# Altium PCB WX0.006.844PCB-4.1.PcbDoc (part 1 of 2)
Units mil, origin at the board's own origin, x right, y up, seen from the top; angles counter-clockwise.
Board outline 4488.2 x 1889.78 mil, 2 copper layers (Top Layer, Bottom Layer), stack 12.8 mil thick; 178 components, 132 nets, 589 pads, 387 vias.
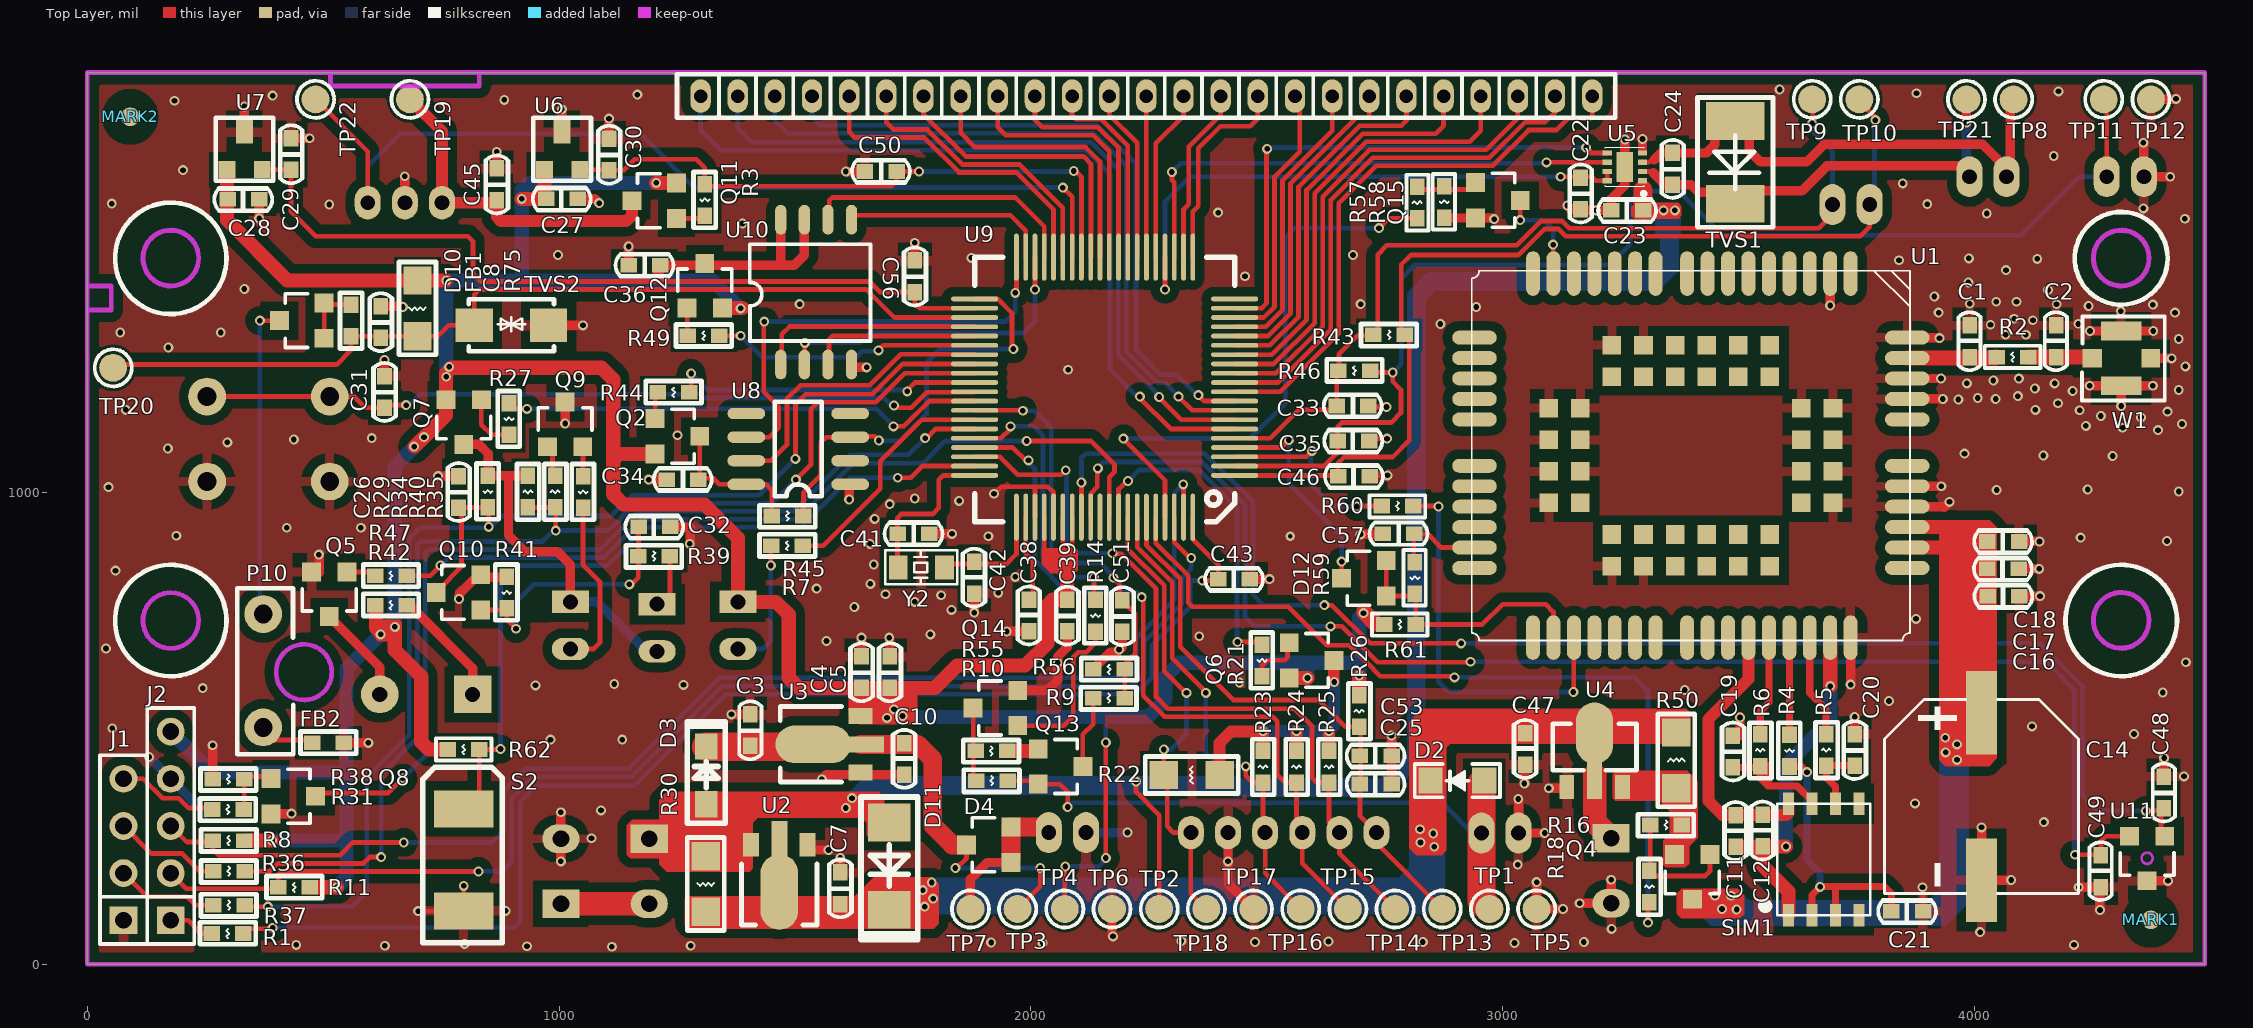
[diagram p0: Top Layer view]
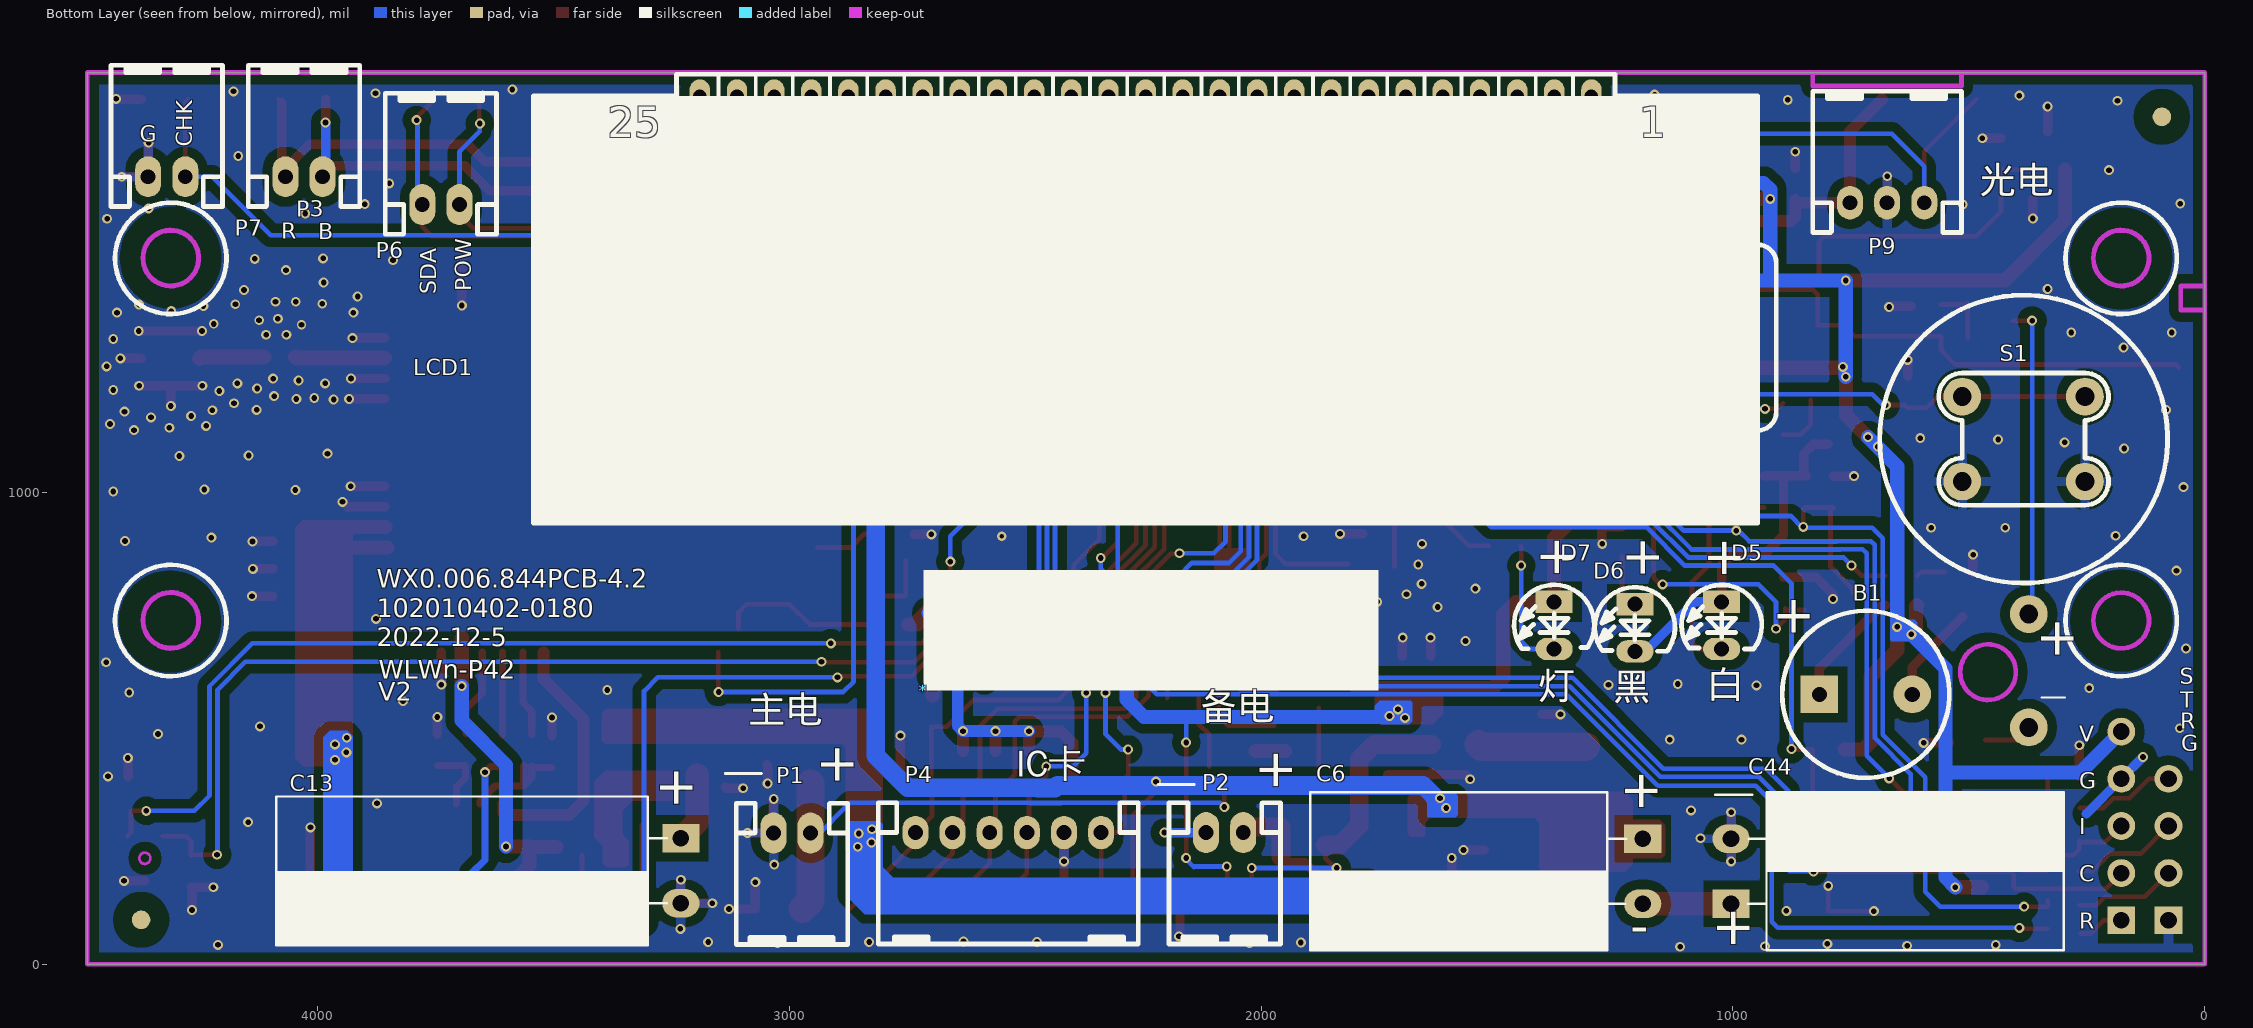
[diagram p1: Bottom Layer view, seen from below]

## Layer stack, top to bottom
Top Solder: solder mask 0.4, Solder Resist, Dk 3.5
Top Layer: signal copper 1.4
Dielectric 1: core 10, FR-4, Dk 4.2
Bottom Layer: signal copper 1.4
Bottom Solder: solder mask 0.4, Solder Resist, Dk 3.5

## Board outline
0,0 4488.2,0 4488.2,1889.78 0,1889.78

## Design rules (kind name [scope] priority, off if disabled: settings)
Clearance VIA-VIA [ISVIA vs ISVIA] p1: gap=20 ignorepadtopadclearanceinfootprint=FALSE except(0: Arc-Hole Track-Hole SMDPad-Hole THPad-Hole Via-Hole Fill-Hole Poly-Hole Region-Hole Text-Hole)
Clearance VIA-PAD [ISVIA vs ISPAD] p2: gap=15 ignorepadtopadclearanceinfootprint=FALSE except(0: Arc-Hole Track-Hole SMDPad-Hole THPad-Hole Via-Hole Fill-Hole Poly-Hole Region-Hole Text-Hole)
Clearance VIA-TRACK [ISVIA vs ISTRACK] p3: gap=15 ignorepadtopadclearanceinfootprint=FALSE except(0: Arc-Hole Track-Hole SMDPad-Hole THPad-Hole Via-Hole Fill-Hole Poly-Hole Region-Hole Text-Hole)
Clearance Polygon [InPolygon] p4: gap=20 ignorepadtopadclearanceinfootprint=FALSE except(0: Arc-Hole Track-Hole SMDPad-Hole THPad-Hole Via-Hole Fill-Hole Poly-Hole Region-Hole Text-Hole)
Clearance [All] p5: gap=7 ignorepadtopadclearanceinfootprint=FALSE except(0: Arc-Hole Track-Hole SMDPad-Hole THPad-Hole Via-Hole Fill-Hole Poly-Hole Region-Hole Text-Hole)
ComponentClearance [All] p1 off: gap=10 collisioncheckmode=3 verticalgap=10 showdistances=FALSE
FabricationTestPointUsage TestPointUsage [All] p1: valid=0 allowmultiple=FALSE
FabricationTestpoint Testpoint [(IsPad And (OnTopLayer Or OnBottomLayer))] p1: side=3 testpointundercomponent=TRUE minsize=40 maxsize=100 preferedsize=60 minholesize=0 maxholesize=40 preferedholesize=32 testpointgrid=1 allowsidetop=TRUE allowsidebottom=TRUE usegrid=TRUE gridtolerance=0.01
HoleSize [All] p1 off: absolutevalues=TRUE maxlimit=300 minlimit=0 maxpercent=80.000 minpercent=20.000
HoleToHoleClearance [All] p1 off: gap=10 allowstackedmicrovias=TRUE
LayerPairs [All] p1 off: enforce=TRUE
MinimumSolderMaskSliver [All] p1 off: minsoldermaskwidth=10
NetAntennae [All] p1 off: netantennaetolerance=0
PlaneConnect [All] p1: planeconnectstyle=Relief reliefexpansion=20 reliefentries=4 reliefconductorwidth=20 reliefairgap=10
PolygonConnect [isvia] p1: connectstyle=Direct reliefconductorwidth=15 reliefentries=4 polygonreliefangle="90 Angle" airgapwidth=10
PolygonConnect PolygonConnect_1 [All] p2: connectstyle=Relief reliefconductorwidth=20 reliefentries=4 polygonreliefangle="90 Angle" airgapwidth=20
RoutingVias [All] p1: holewidth=10 width=20 viastyle="Through Hole" minholewidth=5 minwidth=5 maxholewidth=50 maxwidth=100
SilkToBoardRegionClearance [All] p1 off:
SilkToSilkClearance [All] p1 off: silktosilkclearance=10
SilkToSolderMaskClearance [IsPad] p1 off: minsilkscreentomaskgap=10 clearancetoexposedcopper=TRUE
SolderMaskExpansion [All] p1: expansion=4
Width [All] p1: maxlimit=300 minlimit=8 preferedwidth=8
18 further rules are at their usual default settings.

## Classes and differential pairs
component class WX0.006.845DL: * B1 C8 C26 C27 C28 C29 C30 C31 C32 C33 C35 C36 C38 C39 C41 C42 C43 C45 C46 C48 C49 C50 C56 D5 D6 D7 D10 FB1 FB2 J1 J2 LCD1 MARK1 MARK2 P6 P7 P9 P10 Q5 Q7 Q8 Q9 Q10 Q11 Q12 R1 R3 R7 R8 R11 R27 R29 R31 R34 R35 R36 R37 R38 R39 R40 R41 R42 R43 R46 R47 R49 R75 S1 TP9 TP10 TP11 TP12 TP19 TP20 TP22 TP25 TVS2 U6 U7 U9 U10 U11 Y2
component class WX0.006.846DL: C1 C2 C3 C4 C5 C6 C7 C10 C11 C12 C13 C14 C16 C17 C18 C19 C20 C21 C22 C23 C24 C25 C34 C44 C47 C51 C53 C57 D2 D3 D4 D11 D12 P1 P2 P3 P4 Q2 Q4 Q6 Q13 Q14 Q15 R4 R5 R6 R9 R10 R14 R16 R18 R21 R22 R23 R24 R25 R26 R30 R44 R45 R50 R55 R56 R57 R58 R59 R60 R61 R62 S2 SIM1 TP1 TP2 TP3 TP4 TP5 TP6 TP7 TP8 TP13 TP14 TP15 TP16 TP17 TP18 TP21 TVS1 U1 U2 U3 U4 U5 U8 W1

## Components (designator, comment, footprint, x,y, rotation, side; value= is the part's Value field where it differs from the comment)
* "Bar Code1" "Bar Code1" 2716,580 r180 bottom
B1 "HYT-0903" HYT-0903 817,572 r180 bottom
C1 "NC" CAP0603 3990,1353.23 r270 top
C2 "NC" CAP0603 4172.99,1353.23 r270 top
C3 "10uF/10V" CAP0603 1405,463 r90 top
C4 "10uF/10V" CAP0603 1641,586 r90 top
C5 "100nF/50V" CAP0603 1701,586 r90 top
C6 "1F/2.75V" CAPPC_350_800_1600R 1266.32,364.32 r90 bottom locked
C7 "100nF/50V" CAP0603 1596,128 r90 top
C8 "100nF/50V" CAP0603 622,1328 r90 top
C10 "100nF/50V" CAP0603 1732,468 r270 top
C11 "100nF/50V" CAP0603 3494,315 r270 top
C12 "33pF/50V" CAP0603 3551,316 r270 top
C13 "1000uF/16V" CAPPC_500_800_2000R 3230,198 r270 bottom locked
C14 "1000uF/16V" CAP-SMD_BD10.0-L10.3-W10.3-FD 4015,355.48 r0 top
C16 "100nF/50V" CAP0603 4028.5,780 r0 top
C17 "33pF/50V" CAP0603 4027.5,838 r0 top
C18 "10pF/50V" CAP0603 4028,896 r0 top
C19 "33pF/50V" CAP0603 3488,418 r90 top
C20 "33pF/50V" CAP0603 3746,421 r90 top
C21 "33pF/50V" CAP0603 3824.51,112 r0 top
C22 "100nF/50V" CAP0603 3165,1600.84 r90 top
C23 "100nF/50V" CAP0603 3231,1597.84 r0 top
C24 "100nF/50V" CAP0603 3360,1652.84 r90 top
C25 "100nF/50V" CAP0603 2698,382 r0 top
C26 "100pF/50V" CAP0603 787,968 r90 top
C27 "1uF/16V" CAP0603 973,1622 r0 top
C28 "1uF/16V" CAP0603 298,1621 r0 top
C29 "1nF/50V" CAP0603 432,1684 r90 top
C30 "1nF/50V" CAP0603 1106,1683 r90 top
C31 "100nF/50V" CAP0603 630,1180 r90 top
C32 "10pF/50V" CAP0603 1169,927 r0 top
C33 "100nF/50V" CAP0603 2715,1183 r180 top
C34 "100nF/50V" CAP0603 1295,1027 r180 top
C35 "100nF/50V" CAP0603 2650.51,1109 r0 top
C36 "100nF/50V" CAP0603 1214,1481 r180 top
C38 "100nF/50V" CAP0603 1996,772 r270 top
C39 "100nF/50V" CAP0603 2077,706 r90 top
C41 "12pF/50V" CAP0603 1784,912 r180 top
C42 "12pF/50V" CAP0603 1880,852 r270 top
C43 "33pF/50V" CAP0603 2398,816 r0 top
C44 "1F/2.75V" CAPPC_350_800_1600R 929,29.68 r270 bottom locked
C45 "1uF/16V" CAP0603 868,1620 r90 top
C46 "33pF/50V" CAP0603 2652,1034 r0 top
C47 "100nF/50V" CAP0603 3048,489 r270 top
C48 "1uF/16V" CAP0603 4401,331 r90 top
C49 "1nF/50V" CAP0603 4268,230 r270 top
C50 "33pF/50V" CAP0603 1715,1680 r180 top
C51 "10pF/50V" CAP0603 2194,705 r90 top
C53 "33pF/50V" CAP0603 2698,442 r0 top
C56 "33pF/50V" CAP0603 1754,1425 r90 top
C57 "1uF/16V" CAP0603 2812,912 r180 top
D2 "DS36W" SOD-123FL#1 2964,389 r180 top
D3 "DS12W" SOD-123FL#2 1312,339 r90 top
D4 "BAT54CLT1" SOT-23#1 1911,253 r90 top
D5 "AT203" IR_254_532_300 1024,768 r180 bottom
D6 "AT403" IR_254_532_300 1208,763 r180 bottom
D7 "LED_T3R" LED2_300 1379,768 r180 bottom locked
D10 "BAT54CLT1" SOT-23#1 455,1364 r90 top
D11 "SS12" DO-214AC 1700,208 r270 top
D12 "BAT54CLT1" SOT-23#1 2706,818 r90 top
FB1 "FB03SN3000_30R" IND0603 559,1331 r90 top
FB2 "FB03SN3000_30R" IND0603 544,469 r180 top
J1 "PIN254_1*4*WXHJ" PIN254_1*4*WXHJ 77,93 r90 top
J2 "PIN254_1*5*WXHJ" PIN254_1*5*WXHJ 177,93 r90 top locked
LCD1 "GVH21861A-HPP" LCD_GVH21861A-HPP 1300,1840 r180 bottom locked
MARK1 "MARK" MARK 4374,94 r90 top
MARK2 "MARK" MARK 91,1796 r90 top
P1 "PH200_1*2R" PH200_1*2R 2994.37,278 r180 bottom locked
P2 "PH200_1*2R" PH200_1*2R 2077.37,279 r180 bottom locked
P3 "PH200_1*2R" PH200_1*2R 4028.63,1669 r0 bottom
P4 "PH200_1*6R" PH200_1*6R 2536,279 r0 bottom locked
P6 "PH200_1*2R" PH200_1*2R 3738.63,1610 r0 bottom locked
P7 "PH200_1*2R" PH200_1*2R 4319.63,1669 r0 bottom locked
P9 "PH200_1*3R" PH200_1*3R 752,1614 r0 bottom locked
P10 "90 mm    WX100.060.LJ" WXHJ_Connect_01 373,502 r0 top
Q2 "PNPS-9012" SOT-23#1 1251,1119 r270 top
Q4 "UT3401ZG" SOT-23#1 3402,185 r180 top
Q5 "NPNS-9013" SOT-23#1 513,784 r180 top
Q6 "PNPS-9012" SOT-23#1 2595,644 r270 top
Q7 "PNPS-9012" SOT-23#1 798,1149 r180 top
Q8 "NPNS-9013" SOT-23#1 437,356 r270 top
Q9 "PNPS-9012" SOT-23#1 1013,1144 r0 top
Q10 "NPNS-9013" SOT-23#1 787,788 r90 top
Q11 "PNPS-9012" SOT-23#1 1202,1618 r90 top
Q12 "PNPS-9012" SOT-23#1 1309,1438 r0 top
Q13 "PNPS-9012" SOT-23#1 2063,419 r270 top
Q14 "NPNS-9013" SOT-23#1 1925,543 r90 top
Q15 "NPNS-9013" SOT-23#1 2990,1619 r270 top
R1 "100R 5%" RES0603 331,65 r180 top
R2 "0R 5%" RES0603 4114.02,1286.69 r180 top
R3 "3K 5%" RES0603 1309,1653 r270 top
R4 "22R 5%" RES0603 3608,486 r270 top
R5 "22R 5%" RES0603 3686,420.74 r90 top
R6 "22R 5%" RES0603 3546,420 r90 top
R7 "1K 5%" RES0603 1517,887 r180 top
R8 "10K 5%" RES0603 333,262 r180 top
R9 "330K 5%" RES0603 2132,564 r0 top
R10 "10K 5%" RES0603 1884,389 r0 top
R11 "10K 5%" RES0603 472,163 r180 top
R14 "3K 5%" RES0603 2137,772 r270 top
R16 "2M 5%" RES0603 3313,295 r0 top
R18 "200K 5%" RES0603 3311,131 r90 top
R21 "3K 5%" RES0603 2490,677 r270 top
R22 "51R 5%" RES1206 2282,401 r0 top
R23 "10K 5%" RES0603 2492,385 r90 top
R24 "10K 5%" RES0603 2563,385 r90 top
R25 "10K 5%" RES0603 2632,385 r90 top
R26 "1M 5%" RES0603 2696,503 r90 top
R27 "3K 5%" RES0603 894,1189 r270 top
R29 "20K 5%" RES0603 849,1035 r270 top
R30 "0R 5%" RES1206 1311,111 r90 top
R31 "3K 5%" RES0603 265,328 r0 top
R34 "20K 5%" RES0603 934,968 r90 top
R35 "100R 5%" RES0603 1051,1034 r270 top
R36 "1K 5%" RES0603 267,197 r0 top
R37 "1K 5%" RES0603 267,125 r0 top
R38 "1K 5%" RES0603 266,392 r0 top
R39 "20K 5%" RES0603 1168,865 r0 top
R40 "3K 5%" RES0603 992,968 r90 top
R41 "47K 5%" RES0603 889,821 r270 top
R42 "51R 5%" RES0603 677,761 r180 top
R43 "5.1K 5%" RES0603 2726,1334 r0 top
R44 "3K 5%" RES0603 1276,1212 r180 top
R45 "20K 5%" RES0603 1451,950 r0 top
R46 "5.1K 5%" RES0603 2719,1258 r180 top
R47 "3K 5%" RES0603 677,823 r180 top
R49 "3K 5%" RES0603 1340,1332 r180 top
R50 "0R 5%" RES1206 3368,491 r270 top
R55 "10K 5%" RES0603 1883,452 r0 top
R56 "220K 5%" RES0603 2199,625 r180 top
R57 "3K 5%" RES0603 2819,1581 r90 top
R58 "20K 5%" RES0603 2876,1649 r270 top
R59 "20K 5%" RES0603 2814,852 r270 top
R60 "1K 5%" RES0603 2744,971 r0 top
R61 "NC" RES0603 2749,720 r0 top
R62 "1M 5%" RES0603 831,455 r180 top
R75 "0R 5%" RES1206 700,1331 r90 top
S1 "SWT_4_600_600_430" SWT_4_600_600 384,1113 r0 bottom locked
S2 "SWS_2_520_300_300" SWS_2_520_300 798,329 r90 top
SIM1 "SIMIC" SIMIC 3779,340 r180 top
TP1 "TEST-PAD" TEST-PAD 2972,117 r0 top locked
TP2 "TEST-PAD" TEST-PAD 2272,117 r0 top locked
TP3 "TEST-PAD" TEST-PAD 1972,117 r0 top locked
TP4 "TEST-PAD" TEST-PAD 2072,117 r0 top locked
TP5 "TEST-PAD" TEST-PAD 3072,117 r0 top locked
TP6 "TEST-PAD" TEST-PAD 2172,117 r0 top locked
TP7 "TEST-PAD" TEST-PAD 1872,117 r0 top locked
TP8 "TEST-PAD" TEST-PAD 4083,1833 r0 top locked
TP9 "TEST-PAD" TEST-PAD 3656,1833 r0 top locked
TP10 "TEST-PAD" TEST-PAD 3756,1833 r90 top locked
TP11 "TEST-PAD" TEST-PAD 4274,1833 r90 top locked
TP12 "TEST-PAD" TEST-PAD 4374,1833 r0 top locked
TP13 "TEST-PAD" TEST-PAD 2872,117 r90 top locked
TP14 "TEST-PAD" TEST-PAD 2772,117 r90 top locked
TP15 "TEST-PAD" TEST-PAD 2672,117 r90 top locked
TP16 "TEST-PAD" TEST-PAD 2572,117 r90 top locked
TP17 "TEST-PAD" TEST-PAD 2472,117 r90 top locked
TP18 "TEST-PAD" TEST-PAD 2372,117 r90 top locked
TP19 "TEST-PAD" TEST-PAD 684,1833 r90 top locked
TP20 "TEST-PAD" TEST-PAD 55,1264 r90 top
TP21 "TEST-PAD" TEST-PAD 3983,1833 r90 top locked
TP22 "TEST-PAD" TEST-PAD 484,1833 r90 top locked
TVS1 "SMBJ6.0CA" DO-214AA 3493,1792 r270 top
TVS2 "SMAJ5.0CA" SMAJ5.0CA 899,1354 r180 top
U1 "BC95B5JC-02-STD" BC95B5JC-02-STD 3399,1078 r270 top (schematic designator U201)
U2 "CE6232A50P" SOT-89#1 1527,253 r180 top
U3 "CE6232A33P" SOT-89#1 1639,406 r90 top
U4 "CE6232A36P" SOT-89#2 3195,411 r0 top
U5 "DRV8837DSGR" S-PWSON-N8 3259,1689.84 r180 top
U6 "S-5712ACDL1" SOT-23#2 1006,1719 r0 top locked
U7 "S-5712ACDL1" SOT-23#2 333,1719 r0 top locked
U8 "ESAM" SOP-8 1617,1017 r180 top
U9 "FM33LG0x8" LQFP80 2432,1036 r90 top
U10 "GD25VQ80CSIG" SOP-8L-200MIL 1470,1271 r90 top
U11 "S-5712ACDL1" SOT-23#1 4366,224 r180 top locked
W1 "天线" ANT-IPEX_1 4250,1284 r0 top
Y2 "32.768kD" SMD-3215_2P 1817,841 r180 top

## Footprints (in the part's own frame and the unit in brackets; to place one, negate y for a bottom-side part, rotate by r counter-clockwise, add the part's x,y. Pads: shape width x height; smd on the part's side, far side on the other; paste and mask are expansions set on the pad)
ANT-IPEX_1 [mm]
  rect 1.05x1 smd: 1(0,0)
  rect 2.2x1 smd: 2(1.55,-1.475) 2(1.55,1.475)
  rect 1x1 smd: 2(3.151,0)
  silkscreen extent -0.56,-2.26 3.9,2.26
"Bar Code1" [mil]
  silkscreen extent 0,0 965,256
BC95B5JC-02-STD [mm]
  oval 2.4x0.75 smd: 1(-9.8,8.6) 2(-9.8,7.5) 3(-9.8,6.4) 4(-9.8,5.3) 5(-9.8,4.2) 6(-9.8,3.1) 7(-9.8,2) 8(-9.8,0.9) 9(-9.8,-0.2) 10(-9.8,-1.9) 11(-9.8,-3) 12(-9.8,-4.1) 13(-9.8,-5.2) 14(-9.8,-6.3) 15(-9.8,-7.4) 16(-9.8,-8.5) 28(9.8,-8.5) 29(9.8,-7.4) 30(9.8,-6.3) 31(9.8,-5.2) 32(9.8,-4.1) 33(9.8,-3) 34(9.8,-1.9) 35(9.8,-0.2) 36(9.8,0.9) 37(9.8,2) 38(9.8,3.1) 39(9.8,4.2) 40(9.8,5.3) 41(9.8,6.4) 42(9.8,7.5) 43(9.8,8.6)
  oval 0.75x2.4 smd: 17(-6.35,-11.65) 18(-5.25,-11.65) 19(-4.15,-11.65) 20(-3.05,-11.65) 21(-1.95,-11.65) 22(0.55,-11.65) 23(1.65,-11.65) 24(2.75,-11.65) 25(3.85,-11.65) 26(4.95,-11.65) 27(6.05,-11.65) 44(6.05,11.65) 45(4.95,11.65) 46(3.85,11.65) 47(2.75,11.65) 48(1.65,11.65) 49(0.55,11.65) 50(-1.95,11.65) 51(-3.05,11.65) 52(-4.15,11.65) 53(-5.25,11.65) 54(-6.35,11.65)
  rect 1x1 smd: 55(-5.95,4.25) 56(-5.95,2.55) 57(-5.95,0.85) 58(-5.95,-0.85) 59(-5.95,-2.55) 60(-5.95,-4.25) 61(-2.55,-7.65) 62(-0.85,-7.65) 63(0.85,-7.65) 64(2.55,-7.65) 65(5.95,-4.25) 66(5.95,-2.55) 67(5.95,-0.85) 68(5.95,0.85) 69(5.95,2.55) 70(5.95,4.25) 71(2.55,7.65) 72(0.85,7.65) 73(-0.85,7.65) 74(-2.55,7.65) 75(-4.25,4.25) 76(-4.25,2.55) 77(-4.25,0.85) 78(-4.25,-0.85) 79(-4.25,-2.55) 80(-4.25,-4.25) 81(-2.55,-5.95) 82(-0.85,-5.95) 83(0.85,-5.95) 84(2.55,-5.95) 85(4.25,-4.25) 86(4.25,-2.55) 87(4.25,-0.85) 88(4.25,0.85) 89(4.25,2.55) 90(4.25,4.25) 91(2.55,5.95) 92(0.85,5.95) 93(-0.85,5.95) 94(-2.55,5.95)
  silkscreen extent -9.95,-11.8 9.95,11.8
CAP0603 [mil]
  rect 35x31 smd: 1(-0.49,0) 2(66.51,0)
  silkscreen extent -29,-24 94,23, body extent 1,-15 72,15, height 20
CAP-SMD_BD10.0-L10.3-W10.3-FD [mm]
  rect 1.65x4.5 smd: 1(0,4.5) 2(0,-4.5)
  silkscreen extent -5.23,-5.23 5.23,5.23
CAPPC_350_800_1600R [mm]
  rect 1.524x2 hole 0.9: 1(-2.5,-1.905)
  oval 1.524x2 hole 0.9: 2(-6,-1.905)
  silkscreen extent -8.5,-1.02 0,16, body extent -8.22,-1.56 -0.22,15.94, height 7.99
CAPPC_500_800_2000R [mm]
  rect 1.524x2 hole 0.9: 1(-1.75,0)
  oval 1.524x2 hole 0.9: 2(1.75,0)
  silkscreen extent -4,-21.78 4,-0.76, body extent -3.97,-21.82 4.03,0.35, height 8
DO-214AA [mil]
  rect 80x125 smd: 1(5,0) 2(180,0)
  silkscreen extent -45,-80 230,80, body extent -13,-77 203,77, height 96
DO-214AC [mil]
  rect 80x90.55 smd: 1(-92.5,0) 2(92.5,0)
  silkscreen extent -146,-60 156,60, body extent -91,-53 90,53, height 94
HYT-0903 [mil]
  rect 80x80 hole 32: 1(0,0)
  round 80 hole 32: 2(196.85,0)
  silkscreen extent -79,-177 275,177, body extent -78,-176 276,176, height 217
IND0603 [mil]
  rect 35x31 smd: 1(0,0) 2(67,0)
  silkscreen extent -26,-24 92,23, body extent 0,-15 71,15, height 12
IR_254_532_300 [mm]
  rect 2x1.2 hole 0.813: 1(0,0)
  oval 2x1.2 hole 0.813: 2(0,-2.54)
  silkscreen extent -2.16,-2.54 2.16,0.91, body extent -1.65,-2.91 1.64,0.39, height 5.51
LCD_GVH21861A-HPP [mm]
  oval 1.1x1.8 hole 0.732: 1(0,0) 2(-2,0) 3(-4,0) 4(-6,0) 5(-8,0) 6(-10,0) 7(-12,0) 8(-14,0) 9(-16,0) 10(-18,0) 11(-20,0) 12(-22,0) 13(-24,0) 14(-26,0) 15(-28,0) 16(-30,0) 17(-32,0) 18(-34,0) 19(-36,0) 20(-38,0) 21(-40,0) 22(-42,0) 23(-44,0) 24(-46,0) 25(-48,0)
  silkscreen extent -56.95,-23 9.95,1.17, body extent -57.15,-23.24 9.14,0, height 5.2
LED2_300 [mm]
  rect 2x1.2 hole 0.813: 1(0,0)
  oval 2x1.2 hole 0.813: 2(0,-2.54)
  silkscreen extent -2.16,-2.53 2.16,0.91, body extent -1.65,-2.91 1.64,0.39, height 5.51
LQFP80 [mm]
  oval 0.254x2.54 smd: 1(0,0) 2(0.5,0) 3(1,0) 4(1.5,0) 5(2,0) 6(2.5,0) 7(3,0) 8(3.5,0) 9(4,0) 10(4.5,0) 11(5,0) 12(5.5,0) 13(6,0) 14(6.5,0) 15(7,0) 16(7.5,0) 17(8,0) 18(8.5,0) 19(9,0) 20(9.5,0) 41(9.5,14) 42(9,14) 43(8.5,14) 44(8,14) 45(7.5,14) 46(7,14) 47(6.5,14) 48(6,14) 49(5.5,14) 50(5,14) 51(4.5,14) 52(4,14) 53(3.5,14) 54(3,14) 55(2.5,14) 56(2,14) 57(1.5,14) 58(1,14) 59(0.5,14) 60(0,14)
  oval 2.54x0.254 smd: 21(11.75,2.25) 22(11.75,2.75) 23(11.75,3.25) 24(11.75,3.75) 25(11.75,4.25) 26(11.75,4.75) 27(11.75,5.25) 28(11.75,5.75) 29(11.75,6.25) 30(11.75,6.75) 31(11.75,7.25) 32(11.75,7.75) 33(11.75,8.25) 34(11.75,8.75) 35(11.75,9.25) 36(11.75,9.75) 37(11.75,10.25) 38(11.75,10.75) 39(11.75,11.25) 40(11.75,11.75) 61(-2.25,11.75) 62(-2.25,11.25) 63(-2.25,10.75) 64(-2.25,10.25) 65(-2.25,9.75) 66(-2.25,9.25) 67(-2.25,8.75) 68(-2.25,8.25) 69(-2.25,7.75) 70(-2.25,7.25) 71(-2.25,6.75) 72(-2.25,6.25) 73(-2.25,5.75) 74(-2.25,5.25) 75(-2.25,4.75) 76(-2.25,4.25) 77(-2.25,3.75) 78(-2.25,3.25) 79(-2.25,2.75) 80(-2.25,2.25)
  silkscreen extent -2.5,0 11.75,14
MARK [mm]
  round 1 smd: 0(0,0)
  round 1 smd far side: 1(0,0)
  Top Layer pour cut-out: -1.5,0 -1.386,-0.574 -1.061,-1.061 -0.574,-1.386 0,-1.5 0,-1.5 0.574,-1.386 1.061,-1.061 1.386,-0.574 1.5,0 1.5,0 1.386,0.574 1.061,1.061 0.574,1.386 0,1.5 0,1.5 -0.574,1.386 -1.061,1.061 -1.386,0.574 -1.5,0
  Bottom Layer pour cut-out: -1.5,0 -1.386,-0.574 -1.061,-1.061 -0.574,-1.386 0,-1.5 0,-1.5 0.574,-1.386 1.061,-1.061 1.386,-0.574 1.5,0 1.5,0 1.386,0.574 1.061,1.061 0.574,1.386 0,1.5 0,1.5 -0.574,1.386 -1.061,1.061 -1.386,0.574 -1.5,0
PH200_1*2R [mm]
  oval 1.4x2.2 hole 0.8: 1(-1,0) 2(1,0)
  silkscreen extent -3,-6 3,1.6, body extent -3.18,-6.22 3.18,1.78, height 5
PH200_1*3R [mm]
  oval 1.4x1.8 hole 0.8: 1(-4,0) 2(-2,0) 3(0,0)
  silkscreen extent -6,-6 2,1.6, body extent -5.99,-5.97 2.01,1.57, height 4
PH200_1*6R [mm]
  oval 1.4x1.8 hole 0.8: 1(5,0) 2(3,0) 3(1,0) 4(-1,0) 5(-3,0) 6(-5,0)
  silkscreen extent -7,-1.6 7,6, body extent -7.11,-1.78 7.11,6.22, height 5
PIN254_1*4*WXHJ [mm] "Connector; Header; 4 Position"
  rect 1.5x1.5 hole 0.9: 1(0,0)
  round 1.5 hole 0.9: 2(2.54,0) 3(5.08,0) 4(7.62,0)
  silkscreen extent -1.27,-1.27 8.89,1.27, body extent -1.3,-1.3 8.86,1.24, height 8.54
PIN254_1*5*WXHJ [mm]
  rect 1.5x1.5 hole 0.9: 1(0,0)
  round 1.5 hole 0.9: 2(2.54,0) 3(5.08,0) 4(7.62,0) 5(10.16,0)
  silkscreen extent -1.27,-1.27 11.43,1.27
RES0603 [mil]
  rect 35x31 smd: 1(0,0) 2(67,0)
  silkscreen extent -26,-24 92,23, body extent 0,-15 71,15, height 12
RES1206 [mil]
  rect 60x60 smd: 1(0,0) 2(118.11,0)
  silkscreen extent -39,-39 157,39, body extent -28,-29 150,29, height 20
S-PWSON-N8 [mm]
  rect 0.5x0.28 smd: 1(-0.95,0.75) 2(-0.95,0.25) 3(-0.95,-0.25) 4(-0.95,-0.75) 5(0.95,-0.75) 6(0.95,-0.25) 7(0.95,0.25) 8(0.95,0.75)
  rect 0.9x1.6 smd: 9(0,0)
  silkscreen extent -1.09,-1.05 1.04,1.52, body extent -0.98,-1 1.02,1, height 0.77
SIMIC [mm]
  rect 0.6x1.2 smd: 1(4.405,6) 2(3.135,6) 3(1.865,6) 4(0.595,6) 5(0.595,0) 6(1.865,0) 7(3.135,0) 8(4.405,0)
  silkscreen extent 0,0 5.73,6, body extent 0,0 4.95,5.97, height 0.6
SMAJ5.0CA [mm]
  rect 2x1.8 smd: 1(-2,0) 2(2,0)
  silkscreen extent -2.3,-1.4 2.3,1.4
SMD-3215_2P [mm]
  rect 1x1.3 smd: 1(0,0) 2(2.5,0)
  silkscreen extent -0.69,-0.91 3.19,0.91, body extent -0.3,-0.99 2.9,0.99, height 0.7
SOD-123FL#1 [mm]
  rect 1.3x1.4 smd: 1(0.074,0) 2(2.974,0)
  silkscreen extent -0.78,-0.9 3.82,0.9, body extent -0.28,-0.82 3.32,0.82, height 0.95
SOD-123FL#2 [mm]
  rect 1.4x1.2 smd: 1(0,0) 2(3.1,0)
  silkscreen extent -1.02,-1.02 4.44,1.02, body extent -0.2,-0.81 3.4,0.84, height 0.95
SOP-8 [mil]
  oval 80x24 smd: 1(0,0) 2(0,-50) 3(0,-100) 4(0,-150) 5(220,-150) 6(220,-100) 7(220,-50) 8(220,0)
  silkscreen extent 60,-175 160,25, body extent -7,-171 229,21, height 67
SOP-8L-200MIL [mm]
  oval 1.6x0.61 smd: 1(0,0) 2(0,-1.27) 3(0,-2.54) 4(0,-3.81) 5(7.8,-3.81) 6(7.8,-2.54) 7(7.8,-1.27) 8(7.8,0)
  silkscreen extent 1.27,-4.83 6.48,1.68, body extent 0.89,-4.35 6.89,0.55, height 1.7
SOT-23#1 [mil]
  rect 40x40 smd: 1(-37.4,-47.24) 2(37.4,-47.24) 3(0,47.24)
  silkscreen extent -57,-12 57,35, body extent -57,-55 57,55, height 47
SOT-23#2 [mil]
  rect 36x36 smd: 1(-37,-35) 2(38,-35)
  rect 36x50 smd: 3(0,45)
  silkscreen extent -60,-59 62,75, body extent -44,-35 44,45, height 39
SOT-89#1 [mil]
  rect 34x50 smd: 1(0,0) 3(120,0)
  oval 80x160 smd: 2(60,100)
  rect 34x100 smd: 2(60,0)
  silkscreen extent -20,40 140,170
SOT-89#2 [mil]
  rect 31.5x50 smd: 1(-59.06,-35.43) 3(59.06,-35.43)
  rect 31.5x100 smd: 2(0,-10.43)
  oval 78.74x129.92 smd: 2(0,78.74)
  silkscreen extent -89,0 89,98, body extent -89,-40 89,115, height 55
SWS_2_520_300 [mm]
  rect 2x3.2 smd: 1(0,0) 2(-5.5,0)
  silkscreen extent -7.2,-2.08 2.25,2.2
SWT_4_600_600 [mil]
  round 80 hole 40: 1(-130,-90) 1(130,-90) 2(-130,90) 2(130,90)
  silkscreen extent -180,-140 180,140, body extent -130,-90 130,90, height 157
TEST-PAD [mm]
  round 1.5 smd: 1(0,0)
  silkscreen extent -1,-1 1,1
WXHJ_Connect_01 [mil]
  round 80 hole 40: 1(0,240) 2(0,0)
  Keep-Out Layer circle w10: c86.51,116.99 r59.05
  silkscreen extent -55,-57 64,295

## Part data
*: library part "AD_WXHJ_Bar Code_02", "条形码 ,填充，无需焊接器件"
B1: library part 1010602-0007, "直插,直径9mm,高5.5mm,5 V,2 V,30 mA,兴化市华宇电子有限公司,HYT-0903"
C1 C2: library part 101020103-0005
C3 C4: library part 101020103-0026, "106pF,10 V,±10%,0603,村田,GRM188R61A106KE47D"
C5 C7 C8 C10 C11 C16 C22 C23 C24 C25 C31 C33 C34 C35 C36 C38 C39 C47: library part 101020103-0021, "104pF,50 V,±10%,0603,国巨,CC0603KRX7R9BB104"
C6 C44: library part 1010202-0015, "1F,2.75 V,-20%~+20%,8mm*16mm,红宝石,2.7 DMC 1 M MY4 8X16"
C12 C17 C19 C20 C21 C43 C46 C50 C53 C56: library part 101020103-0027, "33pF,50 V,±10%,0603,国巨,CC0603KRNPO9BN33"
C13 C14: library part 1010203-0029, "1000uF,16 V,±20%,8*20mm,Rubycon,16ZLH1000M"
C18 C32 C51: library part 101020103-0014, "10pF,50 V,±5%,0603,X7R,国巨,CC0603JRNPO9BN100"
C26: library part 101020103-0010, "101pf,50 V,±5%,0603,国巨,CC0603JRNP09BN101"
C27 C28 C45 C48 C57: library part 101020103-0003, "105pF,16 V,±10%,0603,国巨,CC0603KRX7R7BB105"
C29 C30 C49: library part 101020103-0022, "102pF,50 V,±10%,0603,国巨,CC0603KRX7R9BB102"
C41 C42: library part 101020103-0005, "12P,50 V,±5%,0603,国巨,CC0603JRNPO9BN12"
D2 D3: library part 101040101-0048, "DS12W,SOD-123FL,1 A,0.55 V,20 V,领晨科技,DS12W"
D4 D10 D12: library part 101040101-0038, "BAT54CLT1，SOT23-3,SOT23-3,0.2 A,0.8 V,30 V,安森美,BAT54CLT1"
D5: library part 101040102-0010, "DIP-2,φ3,插件,红光,上海品观电子有限公司/可得,AT203"
D6: library part 101040102-0011, "DIP-2,φ3,插件,红光,上海品观电子有限公司/可得,AT403-PD-01"
D7: library part 101040102-0001, "圆形插件,3mm 圆形,插件,红光,湖北匡通电子有限公司,3BB4HC"
D11: library part 101040101-0009, "SS12,DO-214AC,1 A,0.55 V,20 V,昶鑫,SS12"
FB1 FB2: library part 109010101-0003, "chilisin(奇力新),0603,30Ω ±25% @100MHz,150 V,125 ℃,PBY160808T-300Y-N,-55 ℃,不含铅,,,圆盘,30Ω ±25% @100MHz"
J1: library part AD_WXHJ_PinHeader_01, "1*4 ，Φ1.0 ，2.54mm，直脚,无需焊接器件"
J2: library part AD_WXHJ_PinHeader_02, "1*5 ，Φ1.0 ，2.54mm，直脚,无需焊接器件"
LCD1: library part 1010801-0028, "GVH21861A-HPP/GVH20913A－HPP-WG,65*23mm,针脚,段码,21,液晶,全透,60 ℃,-20 ℃,金视界/合肥精显,GVH21861A-HPP/GVH20913A－HPP-WG"
MARK1 MARK2: library part AD_WXHJ_MARK_01, "MARK点"
P1 P2 P3 P6 P7: library part 1010902-0105, "2.0-2AW,直插弯座，2PIN，脚间距2mm，带防翘起,公头,单排,2.0-2AW;直插弯座，2PIN,脚间距2mm，带防翘起"
P4: library part 1010902-0106, "2.0-6AW,6PIN，脚间距2.0mm，弯座,公头,单排,2.0-6AW;6PIN_2mm直插弯座带防翘起"
P9: library part 1010902-0104, "2.0-3AW,3PIN，2mm脚间距,公头,单排,2.0-3AW；3PIN，脚间距2mm直插弯座带防翘起"
P10: library part AD_WXHJ_Connect_01, "电源连接线"
Q2 Q6 Q7 Q9 Q11 Q12 Q13: library part 101040201-0001, "9012,PNP,SOT-23,JCET;长电,S9012"
Q4: library part 101040201-0013, "UT3401ZG,P-MOS,SOT-23,UTC,UT3401ZG"
Q5 Q8 Q10 Q14 Q15: library part 101040201-0002, "9013,NPN,SOT-23,长电,S9013"
R1 R35: library part 101010103-0022, "100R,±5%,1/10W,0603,国巨,RC0603JR-07100RL"
R2: library part 101010103-0001, "国巨,±5%,0603,,155 ℃,-55 ℃,RC0603J2-070RL,无铅,200 ppm/℃,1/10W,,0R"
R3 R14 R21 R27 R31 R40 R47 R49 R57: library part 101010103-0006, "国巨,±5%,0603,,155 ℃,-55 ℃,RC0603JR-073KL,无铅,100 ppm/℃,1/10W,,3K"
R4 R5 R6: library part 101010103-0009, "国巨,±5%,0603,,155 ℃,-55 ℃,RC0603JR-0722RL,无铅,200 ppm/℃,1/10W,,22欧"
R7 R36 R37 R38 R60: library part 101010103-0008, "1K,±5%,1/10W,0603,国巨,RC0603JR-071KL"
R8 R10 R11 R23 R24 R25 R44 R55: library part 101010103-0003, "国巨,±5%,0603,,155 ℃,-55 ℃,RC0603JR-0710KL,无铅,200 ppm/℃,1/10W,,10K"
R9: library part 101010103-0066, "330K,±5%,1/10W,0603,国巨,RC0603JR-07330KL"
R16: library part 101010103-0025, "国巨,±5%,0603,,155 ℃,-55 ℃,RC0603JR-072ML,含铅,100 ppm/℃,1/10W,,2M"
R18: library part 101010103-0034, "200K,±5%,1/10W,0603,国巨,RC0603JR-07200KL"
R22: library part 101010101-0029, "51Ω,±5%,1/4W,1206,国巨,RC1206JR-0751RL"
R26 R62: library part 101010103-0002, "国巨,±5%,0603,,155 ℃,-55 ℃,RC0603JR-071ML,无铅,200 ppm/℃,1/10W,,1M"
R29 R34 R39 R45 R58 R59 R61: library part 101010103-0004, "国巨,±5%,0603,,155 ℃,-55 ℃,RC0603JR-0720KL,无铅,200 ppm/℃,1/10W,,20K"
R30 R50 R75: library part 101010101-0013, "0Ω,±5%,1/4W,1206,国巨,RC1206JR-070RL"
R41: library part 101010103-0012, "47K,±5%,1/10W,0603,国巨,RC0603JR-0747KL"
R42: library part 101010103-0037, "国巨,±5%,0603,,155 ℃,-55 ℃,RC0603JR-0751RL,无铅,100 ppm/℃,1/10W,,51欧"
R43 R46: library part 101010103-0015, "国巨,±5%,0603,,155 ℃,55 ℃,RC0603JR-075.1KL,无铅,200 ppm/℃,1/10W,,5.1k"
R56: library part 101010103-0044, "220K,±5%,1/10W,0603,国巨,RC0603JR-07220KL"
S1: library part 1011001-0027, "TS-1102,机械轻触,6*6*4.3直插,6*6*4.3直插,乐清市羽欧电子"
S2: library part 1011001-0041, "CSX-SEN-660B,垂直30°开关转换,3*5.2mm,360°任意方位倾斜检测,杭州航特科技有限公司"
SIM1: library part AD_XN_SIMIC_01, "SIMIC虚拟器件"
TP1 TP2 TP3 TP4 TP5 TP6 TP7 TP8 TP9 TP10 TP11 TP12 TP13 TP14 TP15 TP16 TP17 TP18 TP19 TP20 TP21 TP22: library part AD_WXHJ_TEST-PAD_01, "单面焊盘测试点"
TVS1: library part 101040101-0024, "SMBJ6.0CA,DO-214AA,10.3 V,6.0 V,600 W,58.3 A,800 uA,上海君耀电子有限公司,SMBJ6.0CA"
TVS2: library part SMAJ5.0CA_C693487
U1: library part 1011402-0141, "BC95-B5,23.6mm*19.9mm*2.2mm,BC95B5JC-02-STD,LCC贴片封装,上海移远通信技术股份"
U2: library part 1010503-0013, "S-1206B50-U3,S-1206B50-U3,SOT89-3,6.5 V,1.7 V,0.2 V,5 V,250mA@VIN≧VOUT(S)＋1.0 V﹐1.5 V≦VOUT(S),1 uA,精工电子"
U3: library part 1010503-0002, "S-1206B33-U3T1G,S-1206B33-U3T1G,SOT89-3,6.5 V,1.7 V,0.15 V,3.3 V,250mA@VIN≧VOUT(S)＋1.0 V﹐1.5 V≦VOUT(S),1 uA,精工电子"
U4: library part 1010503-0031, "CE6232A36P,CE6232A36P,SOT89-3,8 V,1.8 V,0.11 V,3.6 V,600mA,0.8 uA,南京芯力微电子有限公司"
U5: library part 101050101-0060, "DRV8837DSGR,S-PWSON-N8,TI,DRV8837DSGR"
U6 U7 U11: library part 1010504-0002, "S-5712ACDL1,SOT23-3,3.5 V,1.6 V,2 uA,精工电子,S-5712ACDL1"
U8: library part AD_XN_ESAM_01, "ESAM虚拟器件"
U10: library part 101050101-0165, "GD25VQ80CSIG,SOP8 208mil,北京兆易创新科技股份有限公司,GD25VQ80CSIG"
W1: library part 1010902-0145, "UB06000058A,3*3.1*1.25mm,公头,单排,IPEX一代板端"
Y2: library part 1010601-0009

## Via types
v1: diameter 21, hole 12, Top Layer to Bottom Layer, tented both sides, 380 vias
v2: diameter 20, hole 12, Top Layer to Bottom Layer, tented both sides, 6 vias
v3: diameter 19.68, hole 9.84, Top Layer to Bottom Layer, tented both sides, 1 vias

## Nets (pads, with @x,y where several pads share a name; then routed paths per layer and width w, separated by ;. In a path a pad name is that pad's centre, name@x,y a point inside that pad or via, vN(x,y) a via of type N, cw(c..) or ccw(c..) an arc to the next point about the centre after c; other vN are vias at no path point)
3.3V: C4.1 C5.1 C27.1 C28.1 C39.2 D7.1 J2.5 Q2.2 Q6.2 Q7.2 Q11.2 Q12.2 R8.1 R11.1 R26.2 R42.2 R61.1 R62.2 R75.2 TP4.1 U3.3 U6.1 U7.1 U9.64 U9.66 U9.67 | length 8713.4
  Top Layer w10: U9.64@2028.46,947.42 2028.46,866.54 2036,859 ; 2067.83,863.17 U9.66@2067.83,947.42 ; TP4.1@2072,117 2072,206 v1(2073,207) ; 2087.51,864.51 U9.67@2087.51,947.42 ; v1(2159,225) v1(2159,470)
  Top Layer w30: U7.1@296,1684 296,1577 423.89,1449.11 R75.2@700,1449.11 v1@760,1449.11 ; R8.1@338,262 v1(392,262) ; R11.1@472,163 v1(529,163) ; R42.2@610,761 612,759 612,713 v1@624,701 ; v1(652,715) 652,666 708,610 708,471 724,455 R62.2@764,455 ; v1@694,1097 v1(714,1117) 760.6,1163.6 Q7.2@760.6,1196.24 760.6,1252.6 772,1264 1090,1264 1115,1239 1115,1070 ; v1(921,1622) 969.51,1622 U6.1@969.51,1680.49 ; Q2.2@1203.76,1081.6 1126.6,1081.6 1115,1070 ; v1(1206,1656) 1248.65,1656 Q11.2@1249.24,1655.4 ; Q12.2@1346.4,1390.76 v1@1388.24,1390.76 ; U3.3@1637,528 U3.3@1639,526 ; C4.1@1641,585.51 1508.49,585.51 1487,607 1487,741 1460,768 D7.1@1379,768 1379,903 1308,974 1137,974 1115,996 1115,1070 ; C5.1@1701,585.51 1796.51,585.51 1844,633 1988,633 2035,680 2035,761 2046.51,772.51 C39.2@2077,772.51 2077,854 2074,857 ; Q6.2@2547.76,606.6 v1(2586.4,606.6) ; R26.2@2696,570 v1@2696,610 ; R61.1@2748,720 R61.1@2736,720 ; R61.1@2736,720 2729,720 v1(2705,744) 2705,749 2706,750 R61.1@2736,720
  Bottom Layer w10: v1(2073,207) 2142,207 2143,206 2159,222 v1(2159,225) ; v1(2159,470) 2159,520
  Bottom Layer w30: J2.5@177,493 264,406 546,406 ; v1(392,262) 546,262 ; v1(529,163) 549.5,183.5 549.5,626.5 v1(622,699) 638,715 v1(652,715) 652,1055 v1(714,1117) ; v1(761,1245) v1(761,1449) 1326,1449 v1(1385,1390) ; 921,1452 v1(921,1622) 921,1642 935,1656 v1(1206,1656) ; v1@1729,524 2248,524 2285,561 2285,609 2315,639 2696,639 ; v1(2586.4,606.6) 2586.4,634.6 ; v1(2696,612) 2696,639 ; v1(2705,744) 2696,735 2696,639
  other v1: 1695,522 1728,526 1710,540 693,1097 767,1266
3.6V: C3.1 C10.1 D3.2 D4.3 TP3.1 U3.2 | length 971.5
  Top Layer w10: v1(1840,204) 1843,204 1863.76,224.76 D4.3@1863.76,253 ; TP3.1@1972,117 2020,165 v1(2020,204)
  Top Layer w40: U3.2@1639,466 1760,466 1792,434 1792,294 1833,253 D4.3@1863.76,253
  Top Layer w60: D3.2@1312,461.05 1534.05,461.05 U3.2@1539,466
  Bottom Layer w10: v1(1840,204) v1(2020,204)
5V: C6.1 C23.2 D3.1 D11.1 R30.2 TP2.1 U2.3 U5.1 | length 3192.8
  Top Layer w10: v1(2223,387) 2223,365 2272,316 TP2.1@2272,117
  Top Layer w40: C23.2@3297.51,1597.84 3297.51,1640.84
  Bottom Layer w40: 1618,340 1657,379 2431.59,379 2436.76,373.83 2474.46,373.83 2474.63,374 2749,374 2817,442 2817,1415 2849,1447 3323,1447 3354,1478 3354,1553 ; 3354,1562.84 3356,1560.84
  other v1: 1608,331 1621,352 3341,1597.84 3365,1597.84
119: C8.1 FB1.1 R75.1 TP20.1 TVS2.2 U9.43 | length 1975
  Top Layer w10: TP20.1@55,1264 62,1271 529,1271 559,1301 FB1.1@559,1331 R75.1@700,1331 743,1331 766,1354 TVS2.2@820.26,1354 820.26,1419.26 831,1430 1651,1430 1710.35,1370.65 U9.43@1880.82,1370.65
ADC_CTL: R14.1 U9.56 | length 598.4
  Top Layer w10: U9.56@1881.08,1115 U9.56@1880.82,1114.74 1936.74,1114.74 1957,1135 v1(1957,1140) ; v1(2134,820) 2134,776 R14.1@2137,773
  Bottom Layer w10: v1(1957,1140) 2006.13,1140 2026,1120.13 2026,863 2069,820 v1(2134,820)
B: C24.2 P3.2 TP8.1 TVS1.1 U5.3 | length 1083.8
  Top Layer w10: U5.3@3296.41,1699.68 3310.84,1699.68 3318.48,1707.32 ; TVS1.1@3450,1757 3480,1787 TVS1.1@3493,1787 ; P3.2@4067,1688 4067,1692 P3.2@4076,1701 ; TP8.1@4076,1826 TP8.1@4083,1833
  Top Layer w20: 3321.12,1704.68 3335.79,1719.35 C24.2@3360,1719.35 3432.35,1719.35 3450,1737 TVS1.1@3450,1757 ; TVS1.1@3493,1787 3523,1757 3523,1724.2 3546.69,1700.51 3644.51,1700.51 3682,1738 4017,1738 P3.2@4067,1688 ; P3.2@4068,1669 P3.2@4068,1693 ; P3.2@4076,1701 TP8.1@4076,1826
BUZZ: R47.1 U9.71 | length 1757.2
  Top Layer w10: R47.1@677,823 726.82,823 v1(748.91,845.09) ; v1(1991,1109) 2127.13,1109 2177.5,1058.63 2177.5,1043.37 2166.25,1032.12 U9.71@2166.25,947.42
  Bottom Layer w10: v1(748.91,845.09) 765.82,862 1094.96,862 1175.96,943 1504.96,943 1623.46,1061.5 1771.5,1061.5 1819,1109 v1@1992.49,1109
CAP_CHK: C49.1 U9.69 U11.2 | length 3026.3
  Top Layer w10: U9.69@2126.88,947.42 2126.88,997.55 2141,1011.67 2141,1050 v1(2142,1051) ; v1(2635,716) 2659.18,716 2735.18,640 2931,640 v1(2932,641) ; v1(4213,232) C49.1@4268,232 ; C49.1@4268,230.49 C49.1@4268,232 ; U11.2@4328.6,271.24 4278.24,271.24 4268,261 C49.1@4268,232
  Bottom Layer w10: v1(2142,1051) 2142,1052 2154.5,1064.5 2362.54,1064.5 2454,973.04 2454,736 2474,716 v1(2635,716) ; v1(2932,641) 4152.96,641 4212,581.96 4212,233 v1(4213,232)
CAP_CTL: C48.1 U9.68 U11.1 | length 3039.7
  Top Layer w10: U9.68@2107.2,947.42 v1(2107.2,1021) ; v1(2622,761) 2638.22,761 2719.22,680 v1(2912,680) ; v1(4363,325) 4395.49,325 4395.49,279.15 U11.1@4403.4,271.24
  Bottom Layer w10: v1(2107.2,1021) 2107.2,1073.2 2116,1082 2369.08,1082 2471,980.08 2471,783 2493,761 v1(2622,761) ; v1(2912,680) 4138,680 4229,589 4229,357 4261,325 v1(4363,325)
CARD_CHK_INTP4: C25.1 C53.1 P4.1 R26.1 TP13.1 U9.75 | length 1216.1
  Top Layer w10: U9.75@2244.99,947.42 2244.99,888.31 2316.5,816.8 2316.5,672.63 2429.13,560 2609.13,560 2666.13,503 2699,503 2699,383.49 C25.1@2697.51,382 2697.51,314.34 P4.1@2732.85,279 2732.85,256.15 TP13.1@2872,117
CARD_ERR: P4.6 R22.1 TP18.1 U9.73 | length 970.8
  Top Layer w10: U9.73@2205.62,947.42 2205.62,879.59 2282.5,802.72 2282.5,620.5 2328,575 v1(2330,575) ; v1(2282,455) R22.1@2282,401 2289,394 2289,292 2302,279 P4.6@2339.15,279 2339.15,149.85 TP18.1@2372,117
  Bottom Layer w10: v1(2282,455) 2297,455 2330,488 v1(2330,575)
CARD_POW: R21.1 U9.72 | length 699
  Top Layer w10: U9.72@2185.94,947.42 2185.94,1006.94 2203,1024 v1(2206,1024) ; v1(2438,683) 2484,683 R21.1@2490,677
  Bottom Layer w10: v1(2206,1024) 2229.5,1047.5 2355.5,1047.5 2437,966 2437,684 v1(2438,683)
CARD_RST: P4.4 R23.1 TP16.1 U9.74 | length 1016.6
  Top Layer w10: U9.74@2225.31,947.42 2225.31,883.95 2299.5,809.76 2299.5,648.63 2373.13,575 v1(2371,575) ; v1(2455.61,419.33) 2455.61,399.61 2470.22,385 R23.1@2492,385 P4.4@2492,283.63 ; P4.4@2496.63,279 2496.63,192.37 TP16.1@2572,117
  Bottom Layer w10: v1(2371,575) 2371,447 2398.67,419.33 v1(2455.61,419.33)
CARD_SCL: P4.3 R24.1 TP15.1 U9.57 | length 1574.4
  Top Layer w10: U9.57@1880.82,1095.06 1961.81,1095.06 1988.87,1068 v1(1995,1068) ; v1(2235,778) 2238.5,774.5 2238.5,569.46 2283.46,524.5 2513,524.5 2522.5,515 2522.5,401.5 2539,385 R24.1@2563,385 P4.3@2563,291.37 ; P4.3@2575.37,279 2575.37,213.63 TP15.1@2672,117
  Bottom Layer w10: v1@1993,1067 1993,1065 2009,1049 2009,855.96 2076.46,788.5 2224.5,788.5 v1(2235,778)
CARD_SDA: P4.2 R25.1 TP14.1 U9.58 | length 1626.4
  Top Layer w10: U9.58@1880.82,1075.37 1934.63,1075.37 1972.5,1037.5 2064.5,1037.5 v1(2074,1047) ; v1@2172,870 2191.18,870 2265.5,795.68 2265.5,566.5 2290.5,541.5 2558.63,541.5 2596,504.13 2596,395 2606,385 R25.1@2632,385 P4.2@2632,301.11 ; P4.2@2654.11,279 2654.11,234.89 TP14.1@2772,117
  Bottom Layer w10: v1(2074,1047) 2075.5,1045.5 2075.5,895.5 2100,871 v1(2173,871)
CLOSE: U5.5 U9.19 | length 1143.8
  Top Layer w10: U9.19@2432,1390.33 2488.96,1390.33 2499.5,1400.87 2499.5,1726.71 v1(2500.79,1728) ; v1@3175,1728.84 3184.47,1719.37 3188.47,1719.37 ; v1(3177,1730.84) 3188.47,1719.37 ; U5.5@3221.6,1719.37 3188.47,1719.37
  Bottom Layer w10: v1(2500.79,1728) 2503.79,1731 3176.84,1731 v1(3177,1730.84)
COM0: LCD1.1 U9.6 | length 1710.2
  Top Layer w10: v1(2231,1203) 2231,1199.87 2296.44,1134.43 U9.6@2432,1134.43
  Bottom Layer w10: LCD1.1@1300,1840 1300,1768 1343,1725 2117,1725 2168,1674 2168,1261 2226,1203 v1(2231,1203)
COM1: LCD1.2 U9.7 | length 1610.2
  Top Layer w10: v1(2272,1202) 2272,1200.87 2318.76,1154.11 U9.7@2432,1154.11
  Bottom Layer w10: LCD1.2@1378.74,1840 1378.74,1771.26 1408,1742 2127.92,1742 2185,1684.92 2185,1292.13 2272,1205.13 v1(2272,1202)
COM2: LCD1.3 U9.8 | length 1511.4
  Top Layer w10: v1(2313,1203) 2342.2,1173.8 U9.8@2432,1173.8
  Bottom Layer w10: LCD1.3@1457.48,1840 1457.48,1788.52 1485,1761 2132.96,1761 2202,1691.96 2202,1299.18 2268.68,1232.5 2284.63,1232.5 2313,1204.13 v1(2313,1203)
COM3: LCD1.4 U9.9 | length 1420.2
  Top Layer w10: v1(2355,1206) 2367.52,1193.48 U9.9@2432,1193.48
  Bottom Layer w10: LCD1.4@1536.22,1840 1536.22,1794.78 1553,1778 2140,1778 2223,1695 2223,1302.22 2275.72,1249.5 2309.63,1249.5 2353.13,1206 v1(2355,1206)
ESAM_CLK: U8.6 U9.40 | length 980.2
  Top Layer w10: U8.6@1397,1117 1446,1117 1466,1137 1466,1181 1434,1213 1434,1361 v1(1435,1362) ; U8.6@1397,1123 U8.6@1404,1123 ; v1(1967,1423) 1969.4,1425.4 U9.40@1969.4,1498.6
  Bottom Layer w10: v1(1435,1362) 1946,1362 1967,1383 v1(1967,1423)
ESAM_POW: R44.1 U9.50 | length 668.4
  Top Layer w10: R44.1@1276,1212 1280,1216 v1(1280,1252) ; v1(1738,1214) 1738,1217 1753.85,1232.85 U9.50@1880.82,1232.85
  Bottom Layer w10: v1(1280,1252) 1315,1217 1736,1217 1738,1215 v1(1738,1214)
ESAM_RST: U8.7 U9.47 | length 645.8
  Top Layer w10: U8.7@1388,1073 1394,1067 1449,1067 1483,1101 1483,1198 1512,1227 1659,1227 1724.5,1292.5 1880.22,1292.5 U9.47@1880.82,1291.91
ESAM_SDA: R45.2 U8.3 U9.41 | length 901.5
  Top Layer w10: R45.2@1518,950 1518,999 1555,1036 1555,1106 1566,1117 U8.3@1617,1117 1619,1119 1669,1119 v1(1678,1110) ; U9.41@1880.82,1410.02 1930.18,1410.02 1960,1380.19 1960,1307 v1(1963,1304)
  Bottom Layer w10: v1(1678,1110) 1678.5,1109.5 1721.63,1109.5 1779,1166.87 1779,1275 1808,1304 v1(1963,1304)
FLASH_CLK: U9.37 U10.6 | length 580.3
  Top Layer w10: U10.6@1573,1587.09 1573,1619 1579,1625 1967,1625 2028.46,1563.54 U9.37@2028.46,1498.6
FLASH_CS: U9.44 U10.1 | length 478.9
  Top Layer w10: U10.1@1472,1272 1472,1335 1488.5,1351.5 1880.28,1351.5 U9.44@1880.82,1350.96
FLASH_CTL: R49.1 U9.46 | length 570.1
  Top Layer w10: R49.1@1340,1332 v1(1385,1332) ; v1(1677,1301) 1687.59,1311.59 U9.46@1880.82,1311.59
  Bottom Layer w10: v1(1385,1332) 1430.5,1286.5 1630.37,1286.5 1642.87,1299 1675,1299 v1(1677,1301)
FLASH_MISO: U9.38 U10.2 | length 699.6
  Top Layer w10: U10.2@1521,1263 1518,1266 1521,1269 v1(1521,1317) ; v1(2008.77,1430.15) U9.38@2008.77,1498.6
  Bottom Layer w10: v1(1521,1317) 1638,1317 1659,1338 1985,1338 2008.77,1361.77 v1(2008.77,1430.15)
FLASH_MOSI: U9.39 U10.5 | length 435.7
  Top Layer w10: U10.5@1623,1587.09 1956.91,1587.09 1989.09,1554.91 U9.39@1989.09,1498.6
FLASH_WP: U9.45 U10.3 | length 363.4
  Top Layer w10: U10.3@1572,1272 1572,1323 1580.5,1331.5 1880.59,1331.5 U9.45@1880.82,1331.28
GD_PWR: C45.1 P9.3 Q11.3 TP19.1 | length 719.2
  Top Layer w25: TP19.1@684,1833 752,1765 P9.3@752,1614 C45.1@862.49,1614 ; C45.1@868,1619.51 868,1584 877,1575 1142,1575 1154.76,1587.76 Q11.3@1154.76,1618